# Altium PCB ALCT_MEZ_LX150T.PcbDoc (part 8 of 8)
Units mil, origin at the board's own origin, x right, y up, seen from the top; angles counter-clockwise.
Board outline 4101.98 x 5875.01 mil, 12 copper layers (Top Layer, Mid-Layer 1, +3V3, Mid-Layer 2, +1V2, Mid-Layer 4, +2V5, Mid-Layer 5, GND1, Mid-Layer 7, GND2, Bottom Layer), stack 64.7 mil thick; 378 components, 616 nets, 2487 pads, 1686 vias.
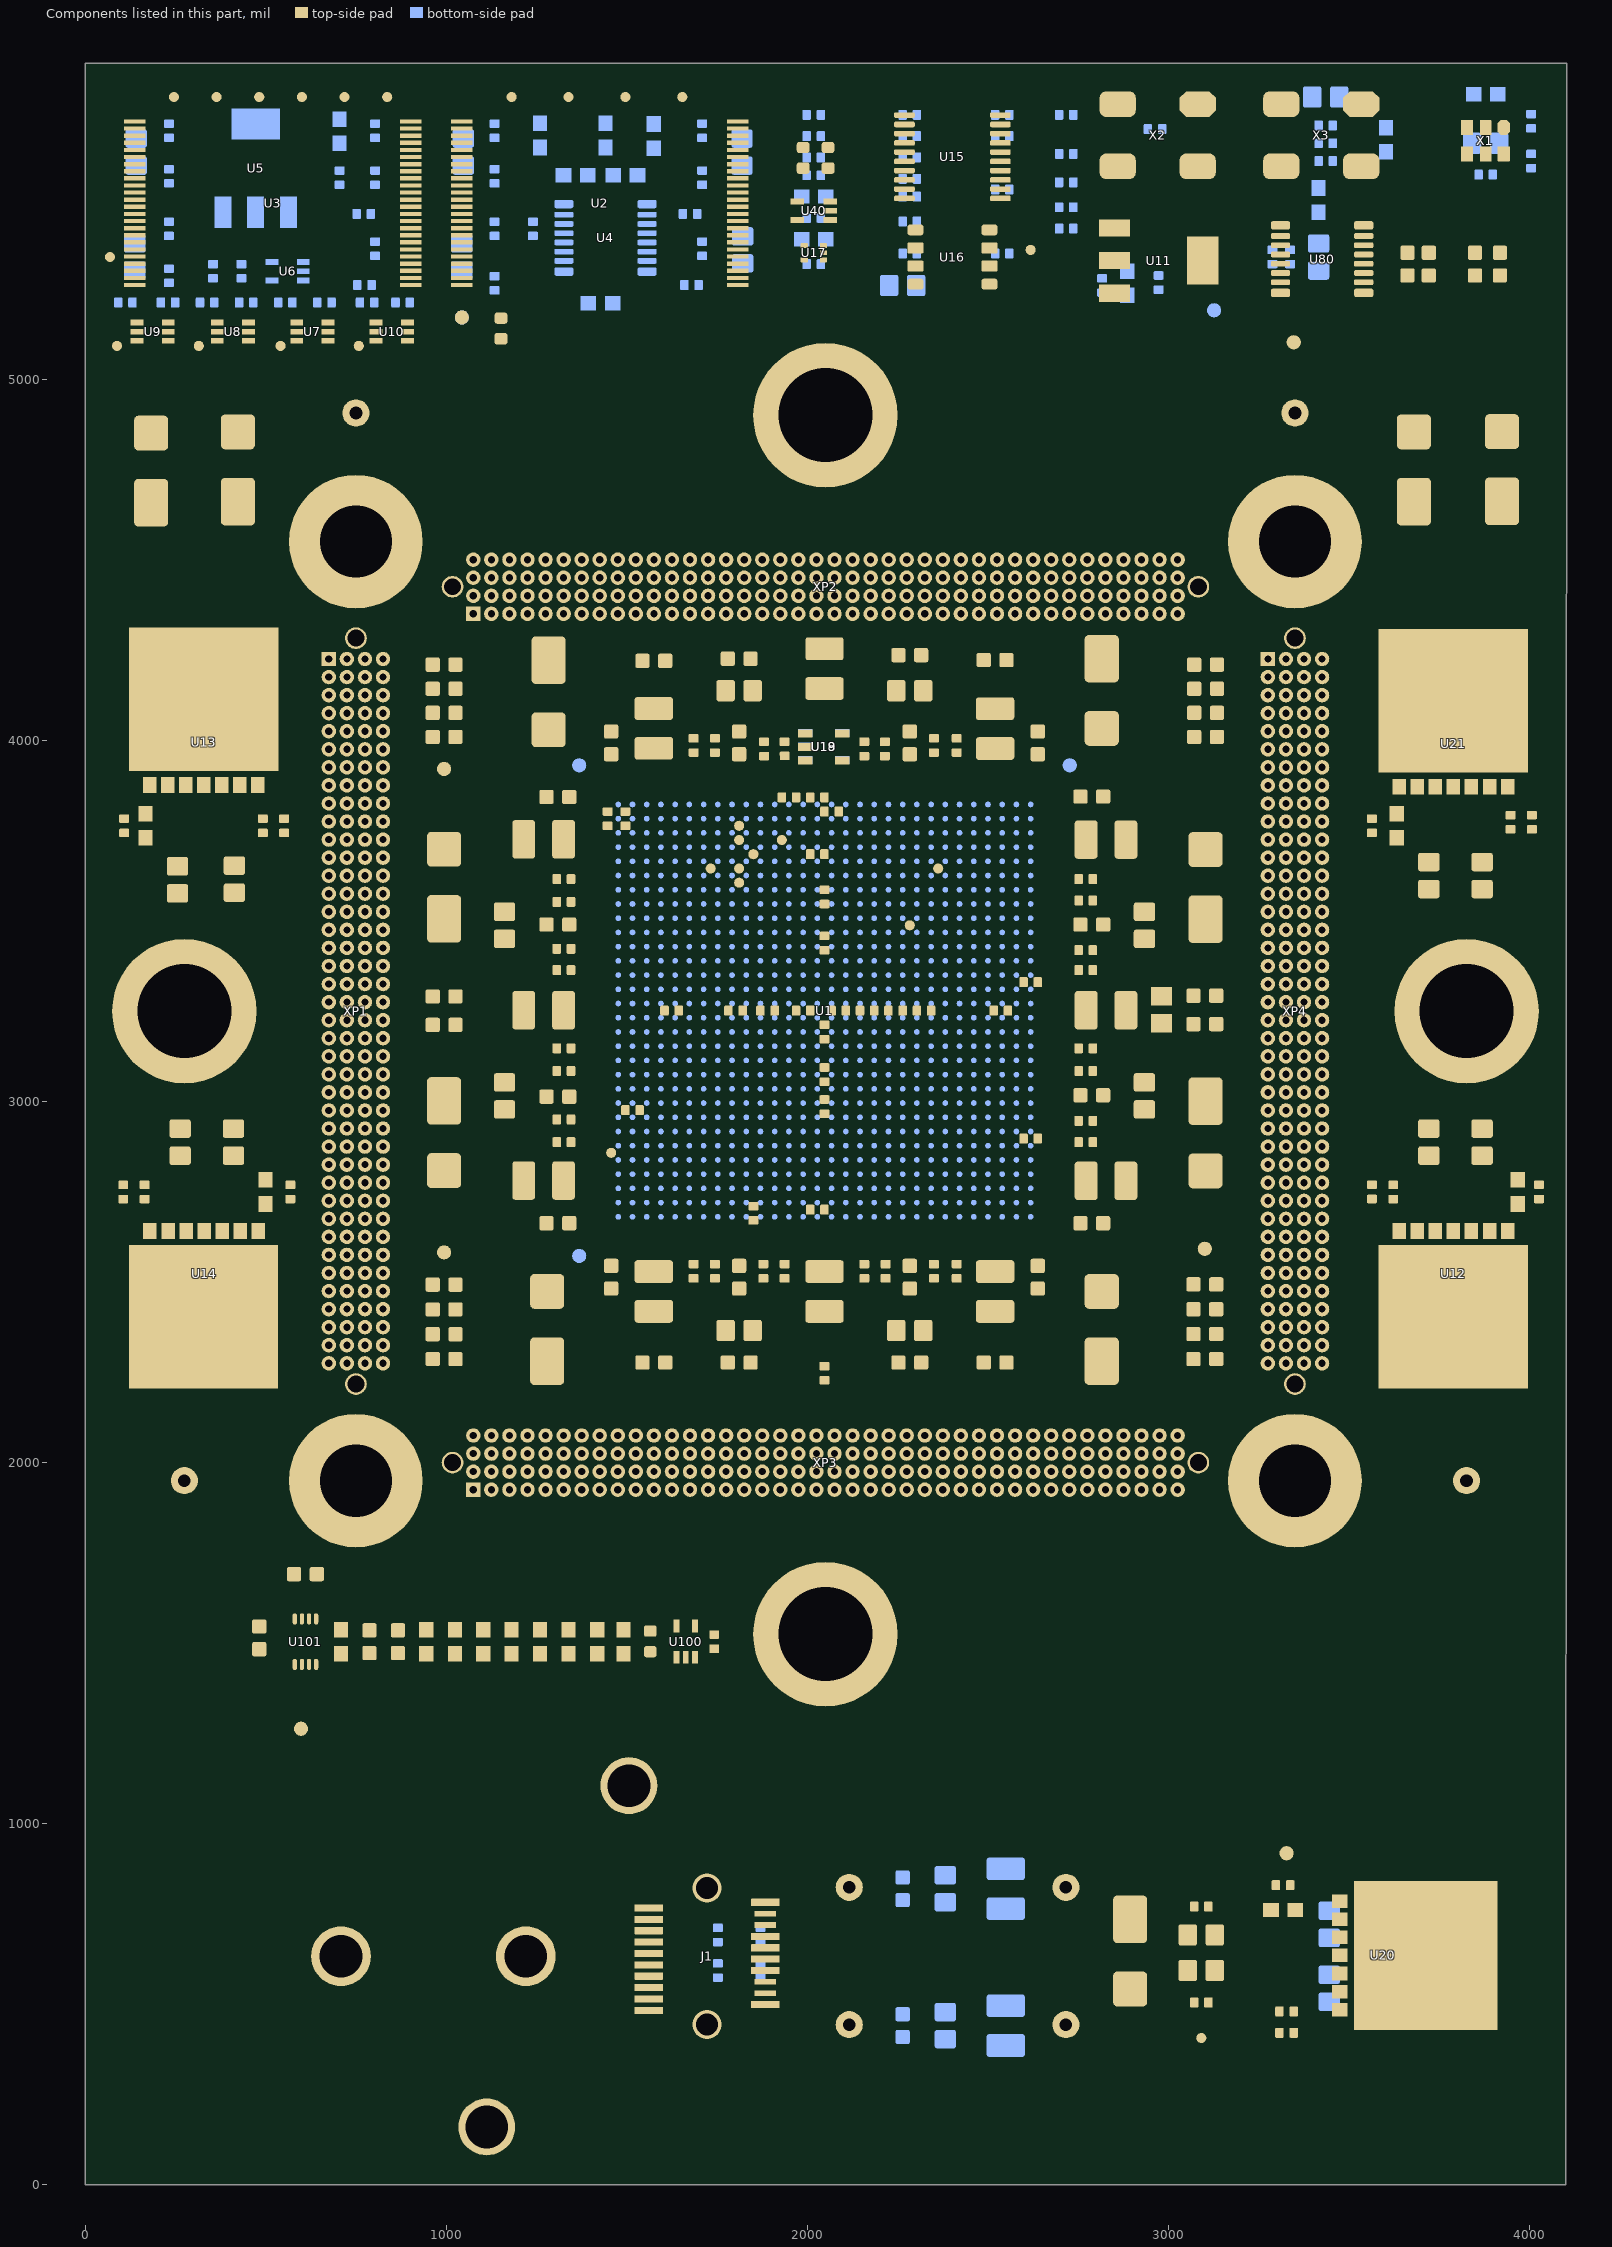
[diagram p18: the components of this part, seen from the top]

## Other copper
Top Layer:
  rectangle net +2V5_SFP: 3415.35,514.97 3494.09,544.49
  rectangle net +2V5_SFP: 3435.04,574.02 3484.25,593.71
  rectangle net +3V3: 3442.91,672.45 3474.41,692.13
  region net +VCORE: 450.25,2798.63 361.66,2798.63 361.66,2680.52 450.25,2680.52
  rectangle net +VCORE: 3671.26,3713.98 3759.84,3832.09
  rectangle net +1V2_MGT: 2539.37,3192.33 2578.74,3221.86
  rectangle net +1V2_MGT: 2588.58,3231.7 2677.17,3271.07
  rectangle net +1.5V: 679.13,1592.72 1368.11,1622.25
  rectangle net +3V3: 206.69,3694.3 295.28,3832.09
  rectangle net +1V8: 364.17,3694.3 452.76,3830.12
  rectangle net +1V2_MGT: 2657.48,3005.32 2696.85,3782.88
  rectangle net NetD2_A: 1466.54,1592.72 1584.65,1622.25
  rectangle net GND: 1377.95,1592.72 1456.69,1622.25
  region net +3V3: 3909.06,2798.63 3820.47,2798.63 3820.47,2680.52 3909.06,2680.52
  pour cut-out: 1948.82,5558.21 1948.82,5426.58 2086.61,5426.58 2086.61,5557.3
  pour cut-out: 3336.61,5554.53 3336.61,5338 3385.83,5338 3425.2,5377.37 3425.2,5554.53
  pour cut-out: 1604.33,1386.03 1604.33,1573.04 1712.6,1573.04 1712.6,1543.51 1761.81,1543.51 1761.81,1454.93 1722.44,1454.93 1722.44,1445.08 1722.44,1386.03
  pour cut-out: 1397.64,267.72 2637.8,267.72 2637.8,928.35 1397.64,928.35
  pour cut-out: 2805.12,5800.6 2805.12,5549.27 3129.92,5549.27 3129.92,5800.6
  pour cut-out: 3257.87,5800.6 3257.87,5549.27 3582.68,5549.27 3582.68,5800.6
  pour cut-out: 1023.62,1883.27 1023.62,2217.51 635.63,2217.51 635.63,4282.51 1013.78,4282.51 1013.78,4540.75 3082.5,4540.75 3082.5,4282.51 3464.57,4282.51 3464.57,2217.5 3082.5,2217.5 3082.5,1883.27
  pour cut-out: 3791.88,5511.95 3791.88,5190.36 3964.02,5190.36 3961.96,5635.24 3945.43,5651.97 3792.67,5652.96 3790.7,5650.99
  pour cut-out: -12424.86,-11328.83 -12424.02,-11329.39 -12423.45,-11330.24 -12423.25,-11331.24 -12423.25,-11386.36 -12423.45,-11387.35 -12424.02,-11388.2 -12424.86,-11388.77 -12425.86,-11388.96 -12992.79,-11388.96 -12993.79,-11388.77 -12994.64,-11388.2 -12995.2,-11387.35 -12995.4,-11386.36 -12995.4,-11382.42 -12995.4,-11331.24 -12995.2,-11330.24 -12994.64,-11329.39 -12993.79,-11328.83 -12992.79,-11328.63 -12425.86,-11328.63
  pour cut-out: -10780.04,-8748.41 -10779.98,-8748.56 -10779.98,-10008.4 -10780.04,-10008.55 -10780.19,-10008.62 -12040.03,-10008.62 -12040.19,-10008.55 -12040.25,-10008.4 -12040.25,-8748.56 -12040.19,-8748.41 -12040.03,-8748.35 -10780.19,-8748.35
  pour cut-out: -12746.58,-8426.36 -12746.51,-8426.51 -12746.51,-8435.57 -12746.58,-8435.72 -12746.73,-8435.78 -12755,-8435.78 -12755.15,-8435.72 -12755.21,-8435.57 -12755.21,-8426.51 -12755.15,-8426.36 -12755,-8426.3 -12746.73,-8426.3
  pour cut-out: -12352.88,-8244.08 -12352.81,-8244.23 -12352.81,-8253.28 -12352.88,-8253.44 -12353.03,-8253.5 -12361.29,-8253.5 -12361.45,-8253.44 -12361.51,-8253.28 -12361.51,-8244.23 -12361.45,-8244.08 -12361.29,-8244.02 -12353.03,-8244.02
  pour cut-out: -12353.27,-10669.67 -12353.21,-10669.82 -12353.21,-10678.88 -12353.27,-10679.03 -12353.42,-10679.09 -12361.69,-10679.09 -12361.84,-10679.03 -12361.9,-10678.88 -12361.9,-10669.82 -12361.84,-10669.67 -12361.69,-10669.61 -12353.42,-10669.61
  pour cut-out: -10146.58,-8425.97 -10146.51,-8426.12 -10146.51,-8435.17 -10146.58,-8435.33 -10146.73,-8435.39 -10155,-8435.39 -10155.15,-8435.33 -10155.21,-8435.17 -10155.21,-8426.12 -10155.15,-8425.97 -10155,-8425.91 -10146.73,-8425.91
  pour cut-out: -9657.15,-7454.81 -9656.3,-7455.38 -9655.73,-7456.22 -9655.54,-7457.22 -9655.54,-7602.89 -9655.73,-7603.89 -9656.3,-7604.74 -9657.15,-7605.3 -9658.14,-7605.5 -9705.39,-7605.5 -9706.39,-7605.3 -9707.23,-7604.74 -9707.8,-7603.89 -9708,-7602.89 -9708,-7461.16 -9708,-7457.22 -9707.8,-7456.22 -9707.23,-7455.38 -9706.39,-7454.81 -9705.39,-7454.61 -9658.14,-7454.61
  pour cut-out: 915.35,5731.7 915.35,5239.57 1044.09,5239.57 1045.27,5240.75 1043.31,5242.72 1043.31,5731.7
  pour cut-out: 3271.65,397.64 3271.65,503.94 3381.89,503.94 3381.89,397.64
  pour cut-out: 551.18,1641.93 551.18,1386.03 1604.33,1386.03 1604.33,1641.93
  pour cut-out: 1909.45,689.38 1972.05,689.38 1972.05,783.86 1909.45,783.86
  pour cut-out: 1909.45,500.4 1972.05,500.4 1972.05,593.71 1909.45,593.71
  pour cut-out: 46.7,150.79 626.52,150.79 647.1,150.79 647.1,52.37 46.7,52.37
  text "1" at 4526.1,5134.22 h60
  text "TOP" at 4726.1,5134.22 h60
  text "COMPONENTS" at 5761.54,5134.22 h60
  text "1" at 66.39,80.87 h40
Mid-Layer 1:
  pour cut-out: 3238.19,5534.85 3238.19,5820.28 3612.2,5820.28 3612.2,5534.85
  pour cut-out: 1845.47,574.02 1845.47,514.97 1958.66,514.97 1958.66,574.02
  pour cut-out: 3799.21,5721.86 3799.21,5593.9 3951.77,5593.9 3951.77,5721.86
  pour cut-out: 3818.9,5451.19 3818.9,5338 3937.01,5338 3937.01,5451.19
  pour cut-out: 1850.39,770.87 1850.39,701.97 1958.66,701.97 1958.66,770.87
  pour cut-out: 46.7,150.79 647.1,150.79 647.1,52.37 46.7,52.37
  text "2" at 4526.1,5034.29 h60
  text "IN1" at 4726.1,5034.29 h60
  text "ROUTING & +VCORE" at 5761.54,5034.29 h60
  text "2" at 95.92,80.87 h40
Mid-Layer 2:
  rectangle net +2V5_SFP: 3257.87,544.49 3395.67,623.23
  rectangle net +1V8: 347.84,3694.3 452.76,3891.15
  pour cut-out: 1893.31,810.24 1893.31,672.45 2021.26,672.45 2021.26,810.24
  pour cut-out: 1893.31,682.29 1893.31,485.44 2021.26,485.44 2021.26,682.29
  pour cut-out: -12424.86,-11328.83 -12424.02,-11329.39 -12423.45,-11330.24 -12423.25,-11331.24 -12423.25,-11386.36 -12423.45,-11387.35 -12424.02,-11388.2 -12424.86,-11388.77 -12425.86,-11388.96 -12992.79,-11388.96 -12993.79,-11388.77 -12994.64,-11388.2 -12995.2,-11387.35 -12995.4,-11386.36 -12995.4,-11382.42 -12995.4,-11331.24 -12995.2,-11330.24 -12994.64,-11329.39 -12993.79,-11328.83 -12992.79,-11328.63 -12425.86,-11328.63
  pour cut-out: -10205.24,-8303.53 -10205.18,-8303.68 -10205.18,-10532.03 -10205.24,-10532.18 -10205.39,-10532.24 -12610.9,-10532.24 -12611.05,-10532.18 -12611.11,-10532.03 -12611.11,-8409.98 -12611.11,-8303.68 -12611.05,-8303.53 -12610.9,-8303.47 -10205.39,-8303.47
  pour cut-out: 46.7,150.79 647.1,150.79 647.1,52.37 46.7,52.37
  text "4" at 4526.1,4834.43 h60
  text "IN2" at 4726.1,4834.43 h60
  text "ROUTING & +1V8 PROM" at 5761.54,4834.43 h60
  text "4" at 194.34,81.9 h40
+1V2:
  pour cut-out: 2460.63,3192.33 2462.09,3192.33 2500,3192.33 2500,3154 2498.96,3154 2460.63,3154
  pour cut-out: 46.7,150.79 626.52,150.79 647.1,150.79 647.1,52.37 46.7,52.37
  text "5" at 4526.1,4734.5 h56.25
  text "PWR" at 4726.1,4734.5 h56.25
  text "+1V2 VCCINT" at 5761.54,4734.5 h56.25
  text "1V2" at 49.21,1135.04 h60
  text "5" at 243.55,81.9 h40
Mid-Layer 4:
  pour cut-out: 46.7,150.79 626.52,150.79 647.1,150.79 647.1,52.37 46.7,52.37
  text "6" at 4533.98,4634.57 h60
  text "IN4" at 4733.98,4634.57 h60
  text "ROUTING" at 5769.41,4634.57 h60
  text "GND" at 49.21,1135.04 h60
  text "6" at 292.77,81.9 h40
Mid-Layer 5:
  pour cut-out: 46.7,150.79 626.52,150.79 647.1,150.79 647.1,52.37 46.7,52.37
  text "8" at 4526.1,4434.72 h60
  text "IN5" at 4726.1,4434.72 h60
  text "ROUTING" at 5761.54,4434.72 h60
  text "GND" at 49.21,1135.04 h60
  text "8" at 401.03,81.9 h40
+3V3:
  rectangle net +3V3: 3267.72,642.92 3395.67,721.66
  rectangle net +3V3: 3287.4,642.92 3395.67,1239.18
  pour cut-out: 46.7,150.79 647.1,150.79 647.1,52.37 46.7,52.37
  text "3" at 4526.1,4934.36 h56.25
  text "PWR" at 4726.1,4934.36 h56.25
  text "+3V3" at 5761.54,4934.36 h56.25
  text "3" at 145.92,80.87 h40
Mid-Layer 7:
  pour cut-out: 46.7,150.79 626.52,150.79 647.1,150.79 647.1,52.37 46.7,52.37
  text "10" at 4526.1,4234.86 h60
  text "IN7" at 4726.1,4234.86 h60
  text "ROUTING / MGT" at 5761.54,4234.86 h60
  text "A" at 499.46,81.9 h40
+2V5:
  pour cut-out: 46.7,150.79 626.52,150.79 647.1,150.79 647.1,52.37 46.7,52.37
  text "7" at 4530.04,4534.65 h56.25
  text "PWR" at 4730.04,4534.65 h56.25
  text "+2V5" at 5765.47,4534.65 h56.25
  text "7" at 351.82,81.9 h40
GND1:
  pour cut-out: 46.7,150.79 626.52,150.79 647.1,150.79 647.1,52.37 46.7,52.37
  text "9" at 4526.1,4334.79 h56.25
  text "GND" at 4726.1,4334.79 h56.25
  text "GND" at 5761.54,4334.79 h56.25
  text "GND" at 49.21,1135.04 h60
  text "9" at 450.25,81.9 h40
GND2:
  pour cut-out: 46.7,150.79 626.52,150.79 647.1,150.79 647.1,52.37 46.7,52.37
  text "11" at 4526.1,4134.93 h60
  text "GND" at 4726.1,4134.93 h60
  text "GND" at 5761.54,4134.93 h60
  text "GND" at 49.21,1135.04 h60
  text "B" at 548.67,81.9 h40
Bottom Layer:
  rectangle net GND: 3356.3,5593.9 3385.83,5712.01
  rectangle net +3V3: 3484.25,5593.9 3513.78,5712.01
  rectangle net GND: 122.28,3915 535.28,4313
  region net GND: 3911,427.9 3911,841.9 3513,841.9 3513,427.9
  rectangle net GND: 3582,3910.01 3996,4308.01
  rectangle net GND: 388.19,5669.89 563.78,5682.88
  rectangle net GND: 470.87,5614.38 481.5,5747.05
  rectangle net GND: 1786.42,583.86 1835.63,603.55
  rectangle net GND: 1786.42,682.29 1835.63,701.97
  rectangle net sfp_vcct: 1786.42,647.84 1835.63,667.53
  rectangle net sfp_vcct2: 1786.42,613.39 1835.63,633.08
  rectangle net +2V5_SFP: 3267.72,544.49 3391.85,623.23
  rectangle net +3V3: 3267.72,642.92 3395.67,721.66
  pour cut-out: 1013.96,1883.34 1013.96,2210.91 632.09,2210.91 632.09,4271.66 1013.96,4271.66 1013.96,4537.41 3077.17,4537.41 3077.17,4271.66 3451.18,4271.66 3451.18,2210.91 3077.16,2210.91 3077.16,1879.51
  pour cut-out: -12424.86,-11328.83 -12424.02,-11329.39 -12423.45,-11330.24 -12423.25,-11331.24 -12423.25,-11386.36 -12423.45,-11387.35 -12424.02,-11388.2 -12424.86,-11388.77 -12425.86,-11388.96 -12992.79,-11388.96 -12993.79,-11388.77 -12994.64,-11388.2 -12995.2,-11387.35 -12995.4,-11386.36 -12995.4,-11382.42 -12995.4,-11331.24 -12995.2,-11330.24 -12994.64,-11329.39 -12993.79,-11328.83 -12992.79,-11328.63 -12425.86,-11328.63
  pour cut-out: -10205.24,-8303.53 -10205.18,-8303.68 -10205.18,-10532.03 -10205.24,-10532.18 -10205.39,-10532.24 -12610.9,-10532.24 -12611.05,-10532.18 -12611.11,-10532.03 -12611.11,-8409.98 -12611.11,-8303.68 -12611.05,-8303.53 -12610.9,-8303.47 -10205.39,-8303.47
  pour cut-out: 46.7,150.79 626.52,150.79 647.1,150.79 647.1,52.37 46.7,52.37
  text "12" at 4526.1,4035.01 h60
  text "BOT" at 4726.1,4035.01 h60
  text "ROUTING / COMPONENTS" at 5761.54,4035.01 h60
  text "C" at 597.88,81.9 h40

## Silkscreen, mask and mechanical layers (free items; w line width, h text height)
Top Overlay:
  text "3V3" at 216.54,5816.34 h23.62
  text "CORE" at 318.9,5816.34 h23.62
  text "2V5" at 452.76,5816.34 h23.62
  text "1V8" at 570.87,5816.34 h23.62
  text "1V2" at 688.98,5816.34 h23.62
  text "1V2O" at 799.21,5816.34 h23.62
  text "/PROG" at 1118.11,5816.34 h23.62
  text "/CCLK" at 1279.53,5816.34 h23.62
  text "INITB" at 1444.88,5816.34 h23.62
  text "DONE" at 1610.24,5816.34 h23.62
  text "DONE" at 1998.03,5692.33 h23.62 r90
  text "INIT" at 2066.93,5692.33 h23.62 r90
  text "TMS" at 157.48,5052.56 h20
  text "TCK" at 383.86,5052.56 h20
  text "TDI" at 610.24,5052.56 h20
  text "TDO" at 816.93,5052.56 h20
  text "SILK TOP" at 4527.56,3494.16 h60
  text "UCLA S6 / 08/20/2018" at 3116.88,1408.44 h59.06
  text "LX150T / v2" at 3362.94,1408.44 h59.06
  text "2V5" at 3076.77,367.33 h23.62 r270
Bottom Overlay:
  lines w10: 10,1225.01 4090,1225.01 ; 26.97,5153.23 4066.97,5153.23 ; 550,2148.82 550,4348.82 950,4348.82 950,4623.82 3150,4623.82 3150,4348.82 3550,4348.82 3550,2148.82 3150,2148.82 3150,1798.82 950,1798.82 950,2148.82 550,2148.82
  text "SILK BOTTOM" at 4527.56,3384.8 h60
Top Paste:
  text "PASTE TOP" at 4527.56,3275.44 h60
Bottom Paste:
  text "PASTE BOTTOM" at 4527.56,3166.08 h60
Top Solder:
  text "MASK TOP" at 4527.56,3056.72 h60
Bottom Solder:
  text "MASK BOTTOM" at 4527.56,2947.36 h60
Assembly Top:
  text "ASSEMBLY TOP" at 4527.56,3822.25 h60
Assembly Bottom:
  text "ASSEMBLY BOTTOM" at 4527.56,3712.89 h60
Board Outline:
  lines w10: 4099.92,0.01 0,0.01 0,5875.01 4100,5875.01 4100,0.01
Drill Drawing:
  circle w10: c4617.91,2186.88 r33.33
  circle w10: c4617.91,1136.88 r20
  circle w10: c4617.91,1136.88 r33.33
  lines w10: 0,1018.79 0,1178.79 ; 4100,1018.79 4100,1178.79 ; 0,0.01 4100,0.01 4100,5875.01 0,5875.01 0,0.01 ; 4584.58,1320.22 4651.24,1320.22 4617.91,1253.55 4584.58,1320.22 ; 4584.58,1403.55 4651.24,1403.55 4651.24,1470.22 4584.58,1470.22 4584.58,1403.55 ; 4584.58,1570.22 4601.24,1570.22 4601.24,1553.55 4634.58,1553.55 4634.58,1570.22 4651.24,1570.22 4651.24,1603.55 4634.58,1603.55 4634.58,1620.22 4601.24,1620.22 4601.24,1603.55 4584.58,1603.55 4584.58,1570.22 ; 4584.58,1703.55 4617.91,1720.22 4651.24,1703.55 4634.58,1736.88 4651.24,1770.22 4617.91,1753.55 4584.58,1770.22 4601.24,1736.88 4584.58,1703.55 ; 4584.58,1853.55 4584.58,1870.22 4601.24,1886.88 4584.58,1903.55 4584.58,1920.22 4601.24,1920.22 4617.91,1903.55 4634.58,1920.22 4651.24,1920.22 4651.24,1903.55 4634.58,1886.88 4651.24,1870.22 4651.24,1853.55 4634.58,1853.55 4617.91,1870.22 4601.24,1853.55 4584.58,1853.55 ; 4584.58,2003.55 4651.24,2003.55 4651.24,2070.22 4584.58,2070.22 4584.58,2003.55 ; 4584.58,2320.22 4601.24,2320.22 4617.91,2303.55 4634.58,2320.22 4651.24,2320.22 4634.58,2336.88 4651.24,2353.55 4634.58,2353.55 4617.91,2370.22 4601.24,2353.55 4584.58,2353.55 4601.24,2336.88 4584.58,2320.22 ; 4597.91,2016.88 4637.91,2016.88 4637.91,2056.88 4597.91,2056.88 4597.91,2016.88
  lines w15: 4524.79,1058.55 8769.67,1058.55 ; 4524.79,2408.55 8769.67,2408.55 ; 5075.66,908.55 5075.66,2558.55 ; 5735.48,908.55 5735.48,2558.55 ; 6895.14,908.55 6895.14,2558.55 ; 7401.02,908.55 7401.02,2558.55 ; 8134.82,908.55 8134.82,2558.55 ; 4524.79,908.55 8769.67,908.55 8769.67,2558.55 4524.79,2558.55 4524.79,908.55
  text "UCLA Physics MC_S6 LX150T" at 4525.94,5542.37 h75
  text "08/20/2018" at 4525.94,5392.37 h56.25
  text "Rev 2" at 5175.94,5392.37 h56.25
  text "Layer Stack-up" at 4527.56,5274.02 h56.25
  text "DRILL DRAWING" at 4527.56,2838 h60
  text "Symbol" at 4614.79,2453.55 h72
  text "Count" at 5120.66,2453.55 h72
  text "Hole Size" at 5780.48,2453.55 h72
  text "Plated" at 6940.14,2453.55 h72
  text "Hole Type" at 7446.02,2453.55 h72
  text "Via/Pad" at 8179.82,2453.55 h72
  text "2" at 5120.66,2303.55 h60
  text "1.550mm (61.02mil)" at 5780.48,2303.55 h60
  text "PTH" at 6940.14,2303.55 h60
  text "Round" at 7446.02,2303.55 h60
  text "Pad" at 8179.82,2303.55 h60
  text "SFP Socket Posts" at 8877.95,2301.58 h60
  text "4" at 5120.66,2153.55 h60
  text "0.889mm (35.00mil)" at 5780.48,2153.55 h60
  text "PTH" at 6940.14,2153.55 h60
  text "Round" at 7446.02,2153.55 h60
  text "Pad" at 8179.82,2153.55 h60
  text "VTTX Screw Holes" at 8877.95,2149.64 h60
  text "Thru-Hole Inductor" at 8868.11,2007.54 h60
  text "4" at 5120.66,2003.55 h60
  text "0.889mm (35.00mil)" at 5780.48,2003.55 h60
  text "PTH" at 6940.14,2003.55 h60
  text "Round" at 7446.02,2003.55 h60
  text "Pad" at 8179.82,2003.55 h60
  text "TP GROUND" at 8868.11,1855.59 h60
  text "4" at 5120.66,1853.55 h60
  text "3.000mm (118.11mil)" at 5780.48,1853.55 h60
  text "PTH" at 6940.14,1853.55 h60
  text "Round" at 7446.02,1853.55 h60
  text "Pad" at 8179.82,1853.55 h60
  text "Stiffener Plate" at 8868.11,1723.33 h60
  text "4" at 5120.66,1703.55 h60
  text "5.080mm (200.00mil)" at 5780.48,1703.55 h60
  text "PTH" at 6940.14,1703.55 h60
  text "Round" at 7446.02,1703.55 h60
  text "Pad" at 8179.82,1703.55 h60
  text "Baseboard Mounts" at 8868.11,1571.39 h60
  text "4" at 5120.66,1553.55 h60
  text "6.604mm (260.00mil)" at 5780.48,1553.55 h60
  text "PTH" at 6940.14,1553.55 h60
  text "Round" at 7446.02,1553.55 h60
  text "Pad" at 8179.82,1553.55 h60
  text "Samtec Guide Posts" at 8868.11,1419.44 h60
  text "8" at 5120.66,1403.55 h60
  text "1.194mm (47.00mil)" at 5780.48,1403.55 h60
  text "PTH" at 6940.14,1403.55 h60
  text "Round" at 7446.02,1403.55 h60
  text "Pad" at 8179.82,1403.55 h60
  text "Samtec Pins" at 8868.11,1267.5 h60
  text "652" at 5120.66,1253.55 h60
  text "0.508mm (20.00mil)" at 5780.48,1253.55 h60
  text "PTH" at 6940.14,1253.55 h60
  text "Round" at 7446.02,1253.55 h60
  text "(Mixed)" at 8179.82,1253.55 h60
  text "Standard Via" at 8868.11,1115.56 h60
  text "1674" at 5120.66,1103.55 h60
  text "0.254mm (10.00mil)" at 5780.48,1103.55 h60
  text "PTH" at 6940.14,1103.55 h60
  text "Round" at 7446.02,1103.55 h60
  text "Via" at 8179.82,1103.55 h60
  text "2356 Total" at 5120.66,953.55 h60
  text "Board dimensions in mils" at 4527.56,761.23 h56.25

## Dimensions
900,4550.01 to 750,4275.01 on Board Outline
0,5875.01 to 0,0.01 on Drill Drawing
0,0.01 to 4100,0.01 on Drill Drawing

## Text inside footprints (layer, text, board x,y; h text height)
CT1: Top Overlay "+" at 187.01,4988.39 h37.5 r270; Assembly Top "+" at 167.32,4941.15 h16 r270
CT2: Top Overlay "+" at 427.17,4991.54 h37.5 r270; Assembly Top "+" at 407.48,4944.3 h16 r270
CT3: Top Overlay "+" at 990.16,2670.67 h37.5 r90; Assembly Top "+" at 1009.84,2717.92 h16 r90
CT4: Top Overlay "+" at 2811.02,3895.08 h37.5 r90; Assembly Top "+" at 2830.71,3942.33 h16 r90
CT5: Top Overlay "+" at 998.03,3836.03 h37.5 r270; Assembly Top "+" at 978.35,3788.79 h16 r270
CT6: Top Overlay "+" at 3098.43,2669.89 h37.5 r90; Assembly Top "+" at 3118.11,2717.13 h16 r90
CT7: Top Overlay "+" at 2889.76,404.73 h37.5 r90; Assembly Top "+" at 2909.45,451.97 h16 r90
CT8: Top Overlay "+" at 3683.07,4991.54 h37.5 r270; Assembly Top "+" at 3663.39,4944.3 h16 r270
CT9: Top Overlay "+" at 3927.17,4992.33 h37.5 r270; Assembly Top "+" at 3907.48,4945.08 h16 r270
CT10: Top Overlay "+" at 2818.9,2611.62 h37.5 r270; Assembly Top "+" at 2799.21,2564.38 h16 r270
CT11: Top Overlay "+" at 1279.53,3891.15 h37.5 r90; Assembly Top "+" at 1299.21,3938.39 h16 r90
CT12: Top Overlay "+" at 1283.46,2611.62 h37.5 r270; Assembly Top "+" at 1263.78,2564.38 h16 r270
CT13: Top Overlay "+" at 3106.3,3835.24 h37.5 r270; Assembly Top "+" at 3086.61,3788 h16 r270
D1: Assembly Top "A" at 1976.38,5546.66 h16 r270; Assembly Top "K" at 1976.38,5700.2 h16 r270
D2: Assembly Top "K" at 1576.77,1417.53 h16 r90; Assembly Top "A" at 1576.77,1571.07 h16 r90
D40: Assembly Top "K" at 1139.76,5227.76 h16 r270; Assembly Top "A" at 1139.76,5074.22 h16 r270
D41: Assembly Top "A" at 2045.28,5546.66 h16 r270; Assembly Top "K" at 2045.28,5700.2 h16 r270
U1: Top Overlay "1" at 1425.2,2649.02 h21.65; Top Overlay "2" at 1421.88,2688.39 h21.65; Top Overlay "3" at 1421.88,2727.76 h21.65; Top Overlay "7" at 1421.88,2885.24 h21.65; Top Overlay "6" at 1422.91,2845.87 h21.65; Top Overlay "5" at 1421.88,2806.5 h21.65; Top Overlay "4" at 1420.85,2767.13 h21.65; Top Overlay "10" at 1406.01,3003.35 h21.65; Top Overlay "11" at 1415.29,3042.72 h21.65; Top Overlay "12" at 1406.01,3082.09 h21.65; Top Overlay "13" at 1406.01,3121.46 h21.65; Top Overlay "9" at 1422.91,2963.98 h21.65; Top Overlay "8" at 1421.88,2924.61 h21.65; Top Overlay "15" at 1406.01,3200.2 h21.65; Top Overlay "16" at 1407.04,3278.94 h21.65; Top Overlay "17" at 1406.01,3318.31 h21.65; Top Overlay "14" at 1404.98,3160.83 h21.65; Top Overlay "21" at 1411.88,3475.79 h21.65; Top Overlay "22" at 1402.61,3515.16 h21.65; Top Overlay "23" at 1402.61,3554.53 h21.65; Top Overlay "24" at 1401.57,3593.9 h21.65; Top Overlay "20" at 1402.61,3436.42 h21.65; Top Overlay "19" at 1407.04,3397.05 h21.65; Top Overlay "18" at 1406.01,3357.68 h21.65; Top Overlay "25" at 1402.61,3633.27 h21.65; Top Overlay "30" at 1402.61,3830.12 h21.65; Top Overlay "29" at 1403.64,3790.75 h21.65; Top Overlay "28" at 1402.61,3751.38 h21.65; Top Overlay "27" at 1402.61,3712.01 h21.65; Top Overlay "26" at 1403.64,3672.64 h21.65; Top Overlay "AF" at 1623.17,3861.62 h21.65 r90; Top Overlay "AG" at 1583.52,3861.62 h21.65 r90; Top Overlay "AH" at 1543.87,3861.62 h21.65 r90; Top Overlay "AJ" at 1504.22,3861.62 h21.65 r90; Top Overlay "AK" at 1464.57,3861.62 h21.65 r90; Top Overlay "AE" at 1662.82,3861.62 h21.65 r90; Top Overlay "V" at 1940.38,3861.62 h21.65 r90; Top Overlay "W" at 1900.73,3861.62 h21.65 r90; Top Overlay "Y" at 1861.08,3861.62 h21.65 r90; Top Overlay "AD" at 1702.48,3861.62 h21.65 r90; Top Overlay "AC" at 1742.13,3861.62 h21.65 r90; Top Overlay "AB" at 1781.78,3861.62 h21.65 r90; Top Overlay "AA" at 1821.43,3861.62 h21.65 r90; Top Overlay "P" at 2137.51,3861.62 h21.65 r90; Top Overlay "U" at 1980.03,3861.62 h21.65 r90; Top Overlay "T" at 2019.68,3861.62 h21.65 r90; Top Overlay "R" at 2098.43,3861.62 h21.65 r90; Top Overlay "H" at 2372.05,3861.62 h21.65 r90; Top Overlay "J" at 2332.96,3861.62 h21.65 r90; Top Overlay "N" at 2176.6,3861.62 h21.65 r90; Top Overlay "M" at 2215.69,3861.62 h21.65 r90; Top Overlay "L" at 2254.78,3861.62 h21.65 r90; Top Overlay "K" at 2293.87,3861.62 h21.65 r90; Top Overlay "D" at 2528.4,3861.62 h21.65 r90; Top Overlay "E" at 2489.31,3861.62 h21.65 r90; Top Overlay "F" at 2450.22,3861.62 h21.65 r90; Top Overlay "G" at 2411.14,3861.62 h21.65 r90; Top Overlay "C" at 2567.49,3861.62 h21.65 r90; Top Overlay "B" at 2606.58,3861.62 h21.65 r90; Top Overlay "A" at 2645.67,3861.62 h21.65 r90; Top Overlay "A" at 2625.98,2641.15 h21.65 r270; Top Overlay "B" at 2586.61,2641.15 h21.65 r270; Top Overlay "C" at 2547.24,2641.15 h21.65 r270; Top Overlay "G" at 2389.76,2641.15 h21.65 r270; Top Overlay "F" at 2429.13,2641.15 h21.65 r270; Top Overlay "E" at 2468.5,2641.15 h21.65 r270; Top Overlay "D" at 2507.87,2641.15 h21.65 r270; Top Overlay "K" at 2271.65,2641.15 h21.65 r270; Top Overlay "L" at 2232.28,2641.15 h21.65 r270; Top Overlay "M" at 2192.91,2641.15 h21.65 r270; Top Overlay "N" at 2153.54,2641.15 h21.65 r270; Top Overlay "J" at 2311.02,2641.15 h21.65 r270; Top Overlay "H" at 2350.39,2641.15 h21.65 r270; Top Overlay "R" at 2074.8,2641.15 h21.65 r270; Top Overlay "T" at 1996.06,2641.15 h21.65 r270; Top Overlay "U" at 1956.69,2641.15 h21.65 r270; Top Overlay "P" at 2114.17,2641.15 h21.65 r270; Top Overlay "AA" at 1799.21,2641.15 h21.65 r270; Top Overlay "AB" at 1759.84,2641.15 h21.65 r270; Top Overlay "AC" at 1720.47,2641.15 h21.65 r270; Top Overlay "AD" at 1681.1,2641.15 h21.65 r270; Top Overlay "Y" at 1838.58,2641.15 h21.65 r270; Top Overlay "W" at 1877.95,2641.15 h21.65 r270; Top Overlay "V" at 1917.32,2641.15 h21.65 r270; Top Overlay "AE" at 1641.73,2641.15 h21.65 r270; Top Overlay "AK" at 1444.88,2641.15 h21.65 r270; Top Overlay "AJ" at 1484.25,2641.15 h21.65 r270; Top Overlay "AH" at 1523.62,2641.15 h21.65 r270; Top Overlay "AG" at 1562.99,2641.15 h21.65 r270; Top Overlay "AF" at 1602.36,2641.15 h21.65 r270; Top Overlay "26" at 2688.94,3693.45 h21.65 r180; Top Overlay "27" at 2689.97,3732.54 h21.65 r180; Top Overlay "28" at 2689.97,3771.63 h21.65 r180; Top Overlay "29" at 2688.94,3810.72 h21.65 r180; Top Overlay "30" at 2689.97,3849.81 h21.65 r180; Top Overlay "25" at 2689.97,3654.36 h21.65 r180; Top Overlay "18" at 2686.57,3380.74 h21.65 r180; Top Overlay "19" at 2685.54,3419.83 h21.65 r180; Top Overlay "20" at 2689.97,3458.92 h21.65 r180; Top Overlay "24" at 2691,3615.27 h21.65 r180; Top Overlay "23" at 2689.97,3576.19 h21.65 r180; Top Overlay "22" at 2689.97,3537.1 h21.65 r180; Top Overlay "21" at 2680.7,3498.01 h21.65 r180; Top Overlay "14" at 2687.6,3180.52 h21.65 r180; Top Overlay "17" at 2686.57,3341.65 h21.65 r180; Top Overlay "16" at 2685.54,3302.56 h21.65 r180; Top Overlay "15" at 2686.57,3219.89 h21.65 r180; Top Overlay "8" at 2670.7,2944.3 h21.65 r180; Top Overlay "9" at 2669.66,2983.67 h21.65 r180; Top Overlay "13" at 2686.57,3141.15 h21.65 r180; Top Overlay "12" at 2686.57,3101.78 h21.65 r180; Top Overlay "11" at 2677.29,3062.41 h21.65 r180; Top Overlay "10" at 2686.57,3023.04 h21.65 r180; Top Overlay "4" at 2671.73,2786.82 h21.65 r180; Top Overlay "5" at 2670.7,2826.19 h21.65 r180; Top Overlay "6" at 2669.66,2865.56 h21.65 r180; Top Overlay "7" at 2670.7,2904.93 h21.65 r180; Top Overlay "3" at 2670.7,2747.45 h21.65 r180; Top Overlay "2" at 2670.7,2708.08 h21.65 r180; Top Overlay "1" at 2665.35,2672.64 h21.65 r180
XP1: Bottom Overlay "D1" at 853.22,4305.52 h37.5; Bottom Overlay "A1" at 705.58,4305.52 h37.5; Top Overlay "A1" at 644.55,4305.52 h37.5; Top Overlay "D1" at 790.22,4305.52 h37.5; Assembly Bottom "D1" at 848.22,4320.52 h25; Assembly Bottom "A1" at 700.58,4320.52 h25
XP2: Bottom Overlay "A1" at 994.49,4380.58 h37.5 r90; Bottom Overlay "D1" at 994.49,4528.22 h37.5 r90; Top Overlay "D1" at 994.49,4465.23 h37.5 r90; Top Overlay "A1" at 994.49,4319.56 h37.5 r90; Assembly Bottom "A1" at 979.49,4375.58 h25 r90; Assembly Bottom "D1" at 979.49,4523.22 h25 r90
XP3: Bottom Overlay "D1" at 994.49,2103.22 h37.5 r90; Bottom Overlay "A1" at 994.49,1955.58 h37.5 r90; Top Overlay "A1" at 994.49,1894.56 h37.5 r90; Top Overlay "D1" at 994.49,2040.23 h37.5 r90; Assembly Bottom "D1" at 979.49,2098.22 h25 r90; Assembly Bottom "A1" at 979.49,1950.58 h25 r90
XP4: Bottom Overlay "A1" at 3305.58,4305.52 h37.5; Bottom Overlay "D1" at 3453.22,4305.52 h37.5; Top Overlay "D1" at 3390.22,4305.52 h37.5; Top Overlay "A1" at 3244.55,4305.52 h37.5; Assembly Bottom "A1" at 3300.58,4320.52 h25; Assembly Bottom "D1" at 3448.22,4320.52 h25